# Altium PCB Project_OLIA.PcbDoc
Units mm, origin at the board's own origin, x right, y up, seen from the top; angles counter-clockwise.
Board outline 81.53 x 68.83 mm, 4 copper layers (Top Layer, Layer 1, Layer 2, Bottom Layer), stack 0.603 mm thick; 71 components, 35 nets, 322 pads, 15 vias.
Unrouted connection lines stored in the file: 2.
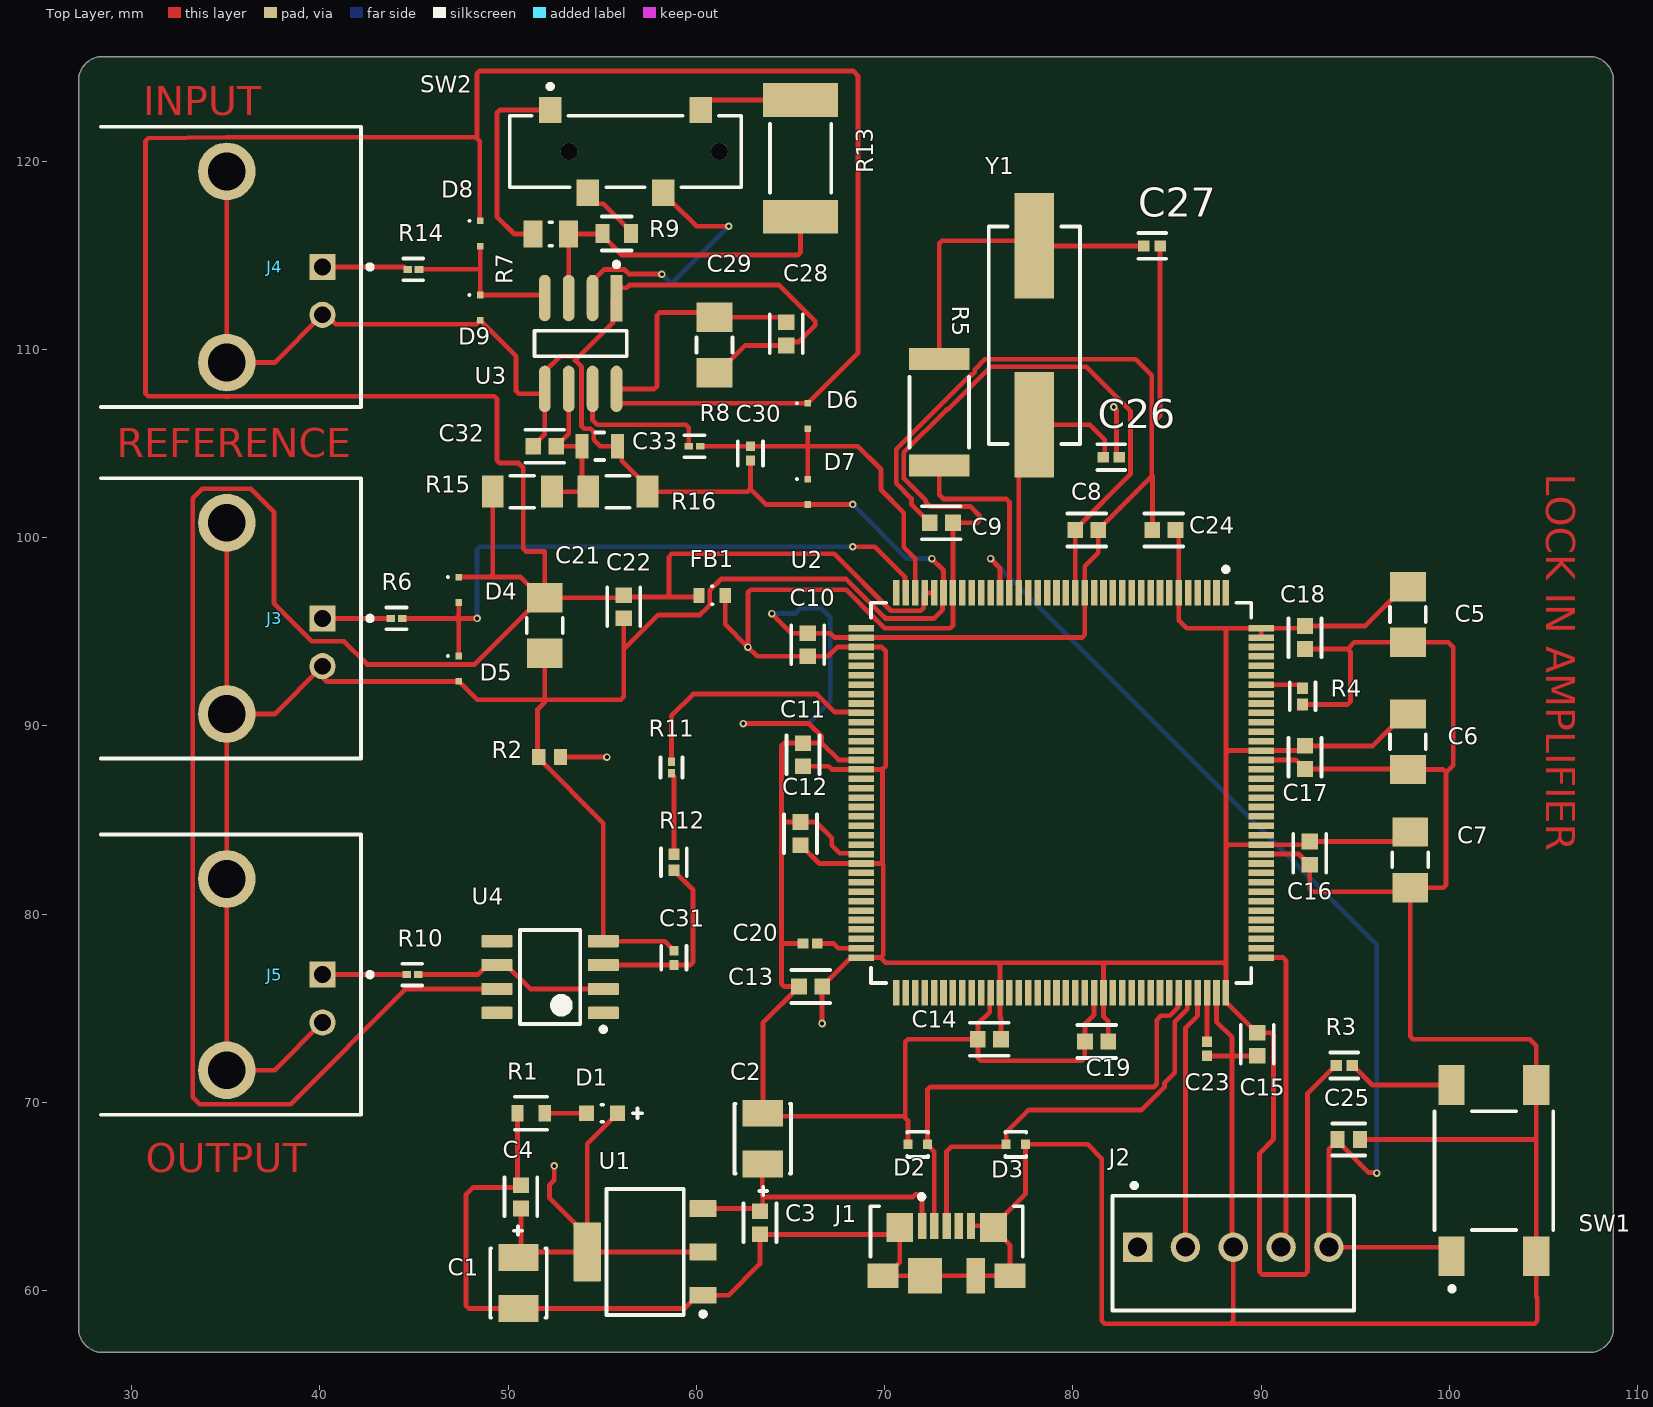
[diagram p0: Top Layer view]
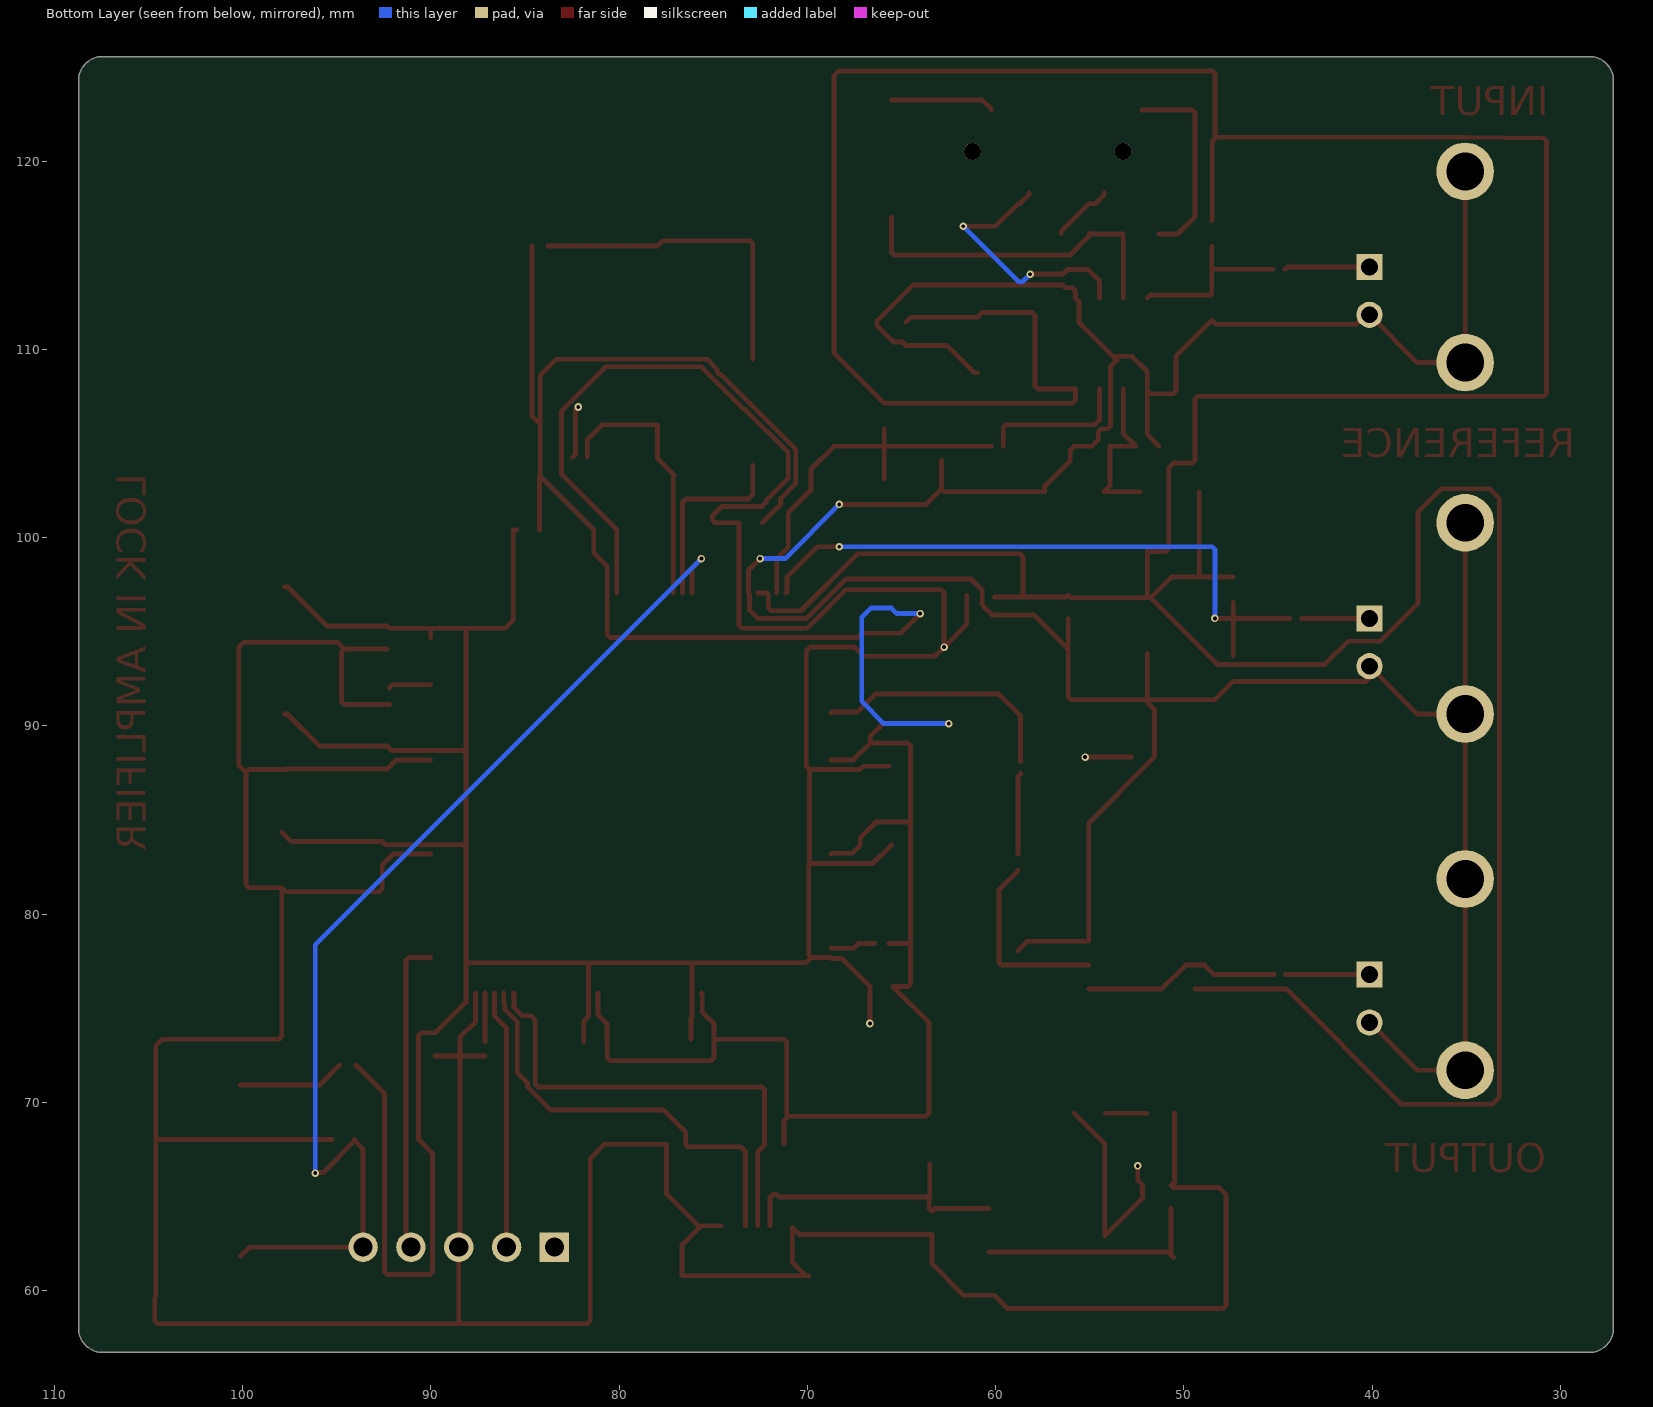
[diagram p1: Bottom Layer view, seen from below]
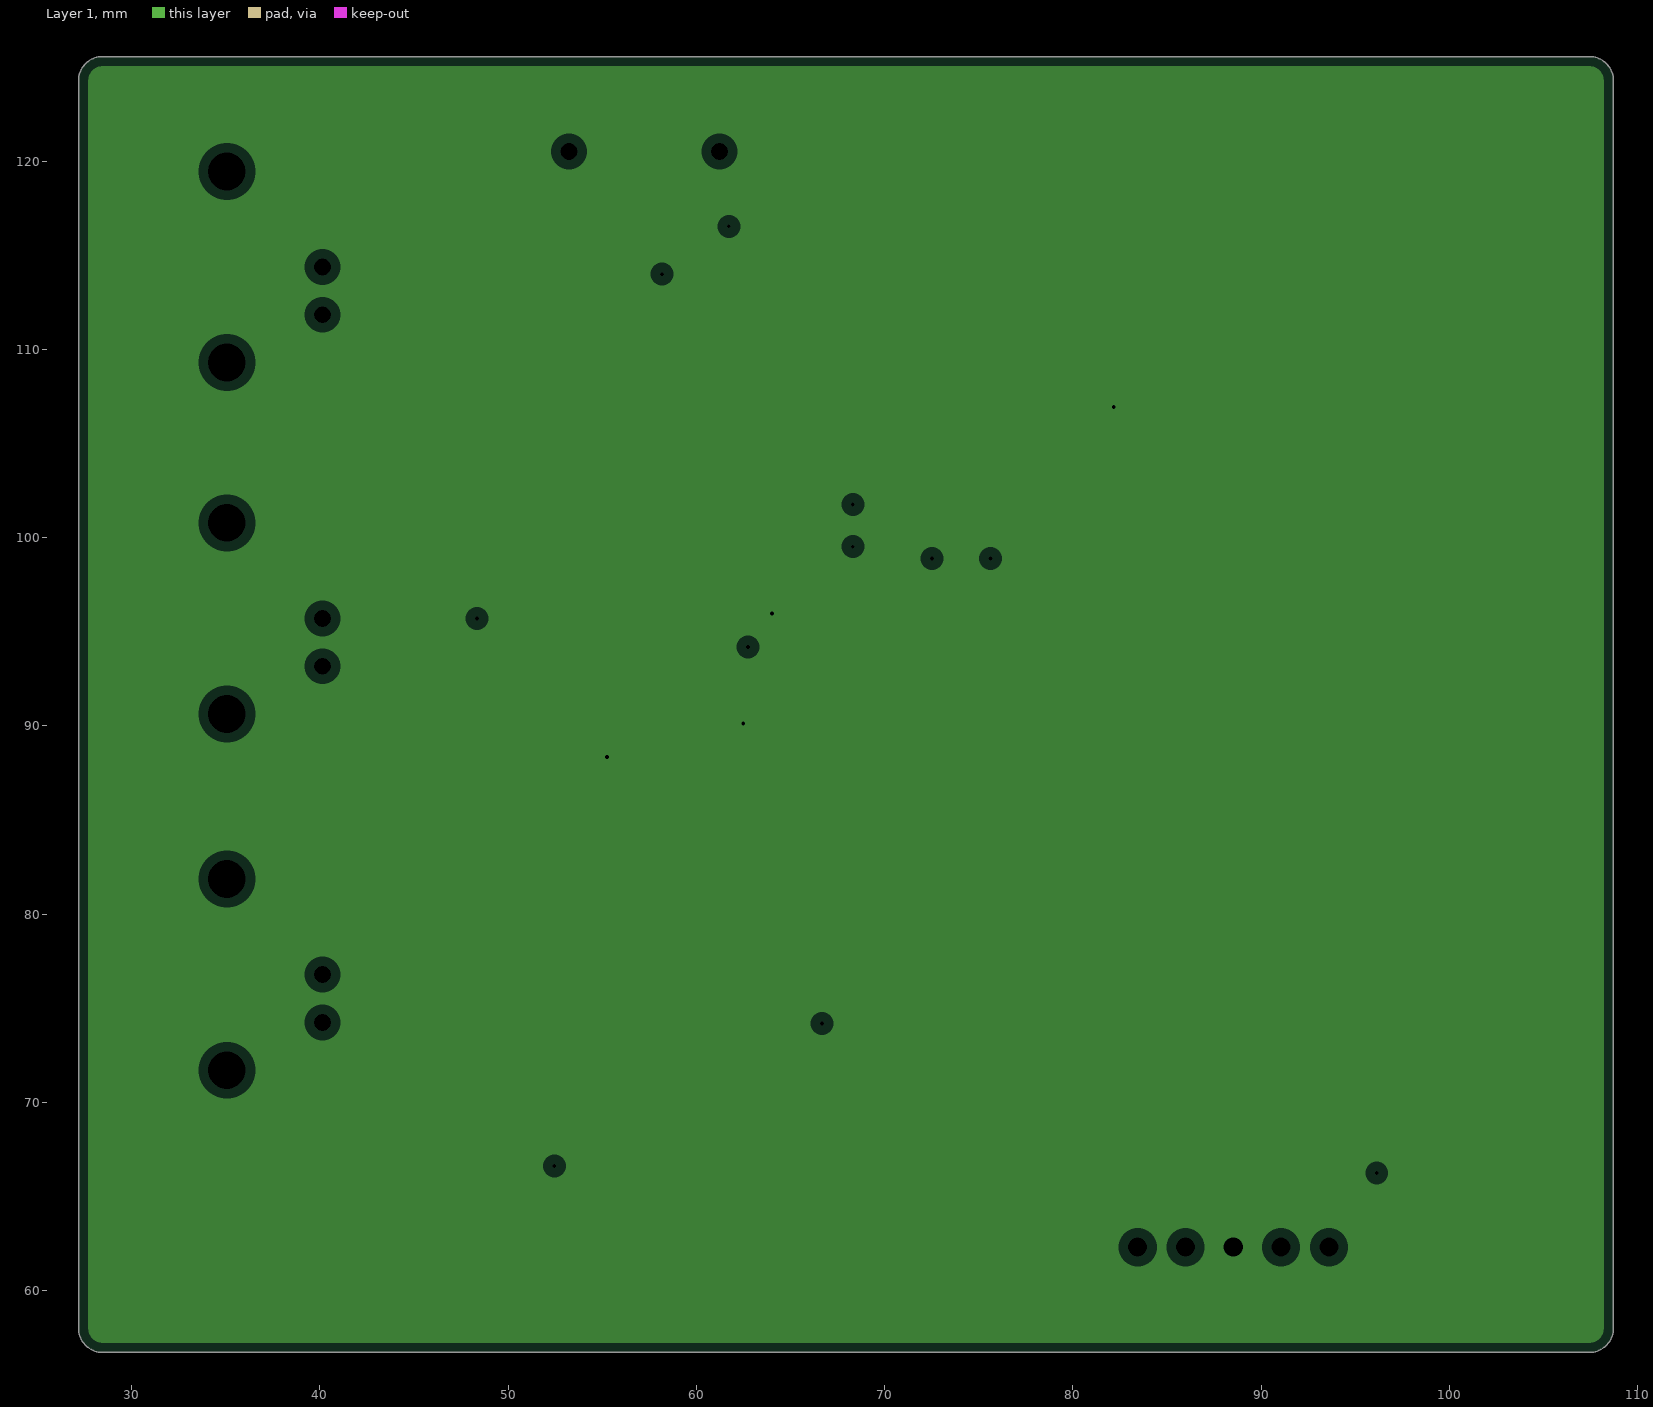
[diagram p2: Layer 1, clearances drawn from the general rule]
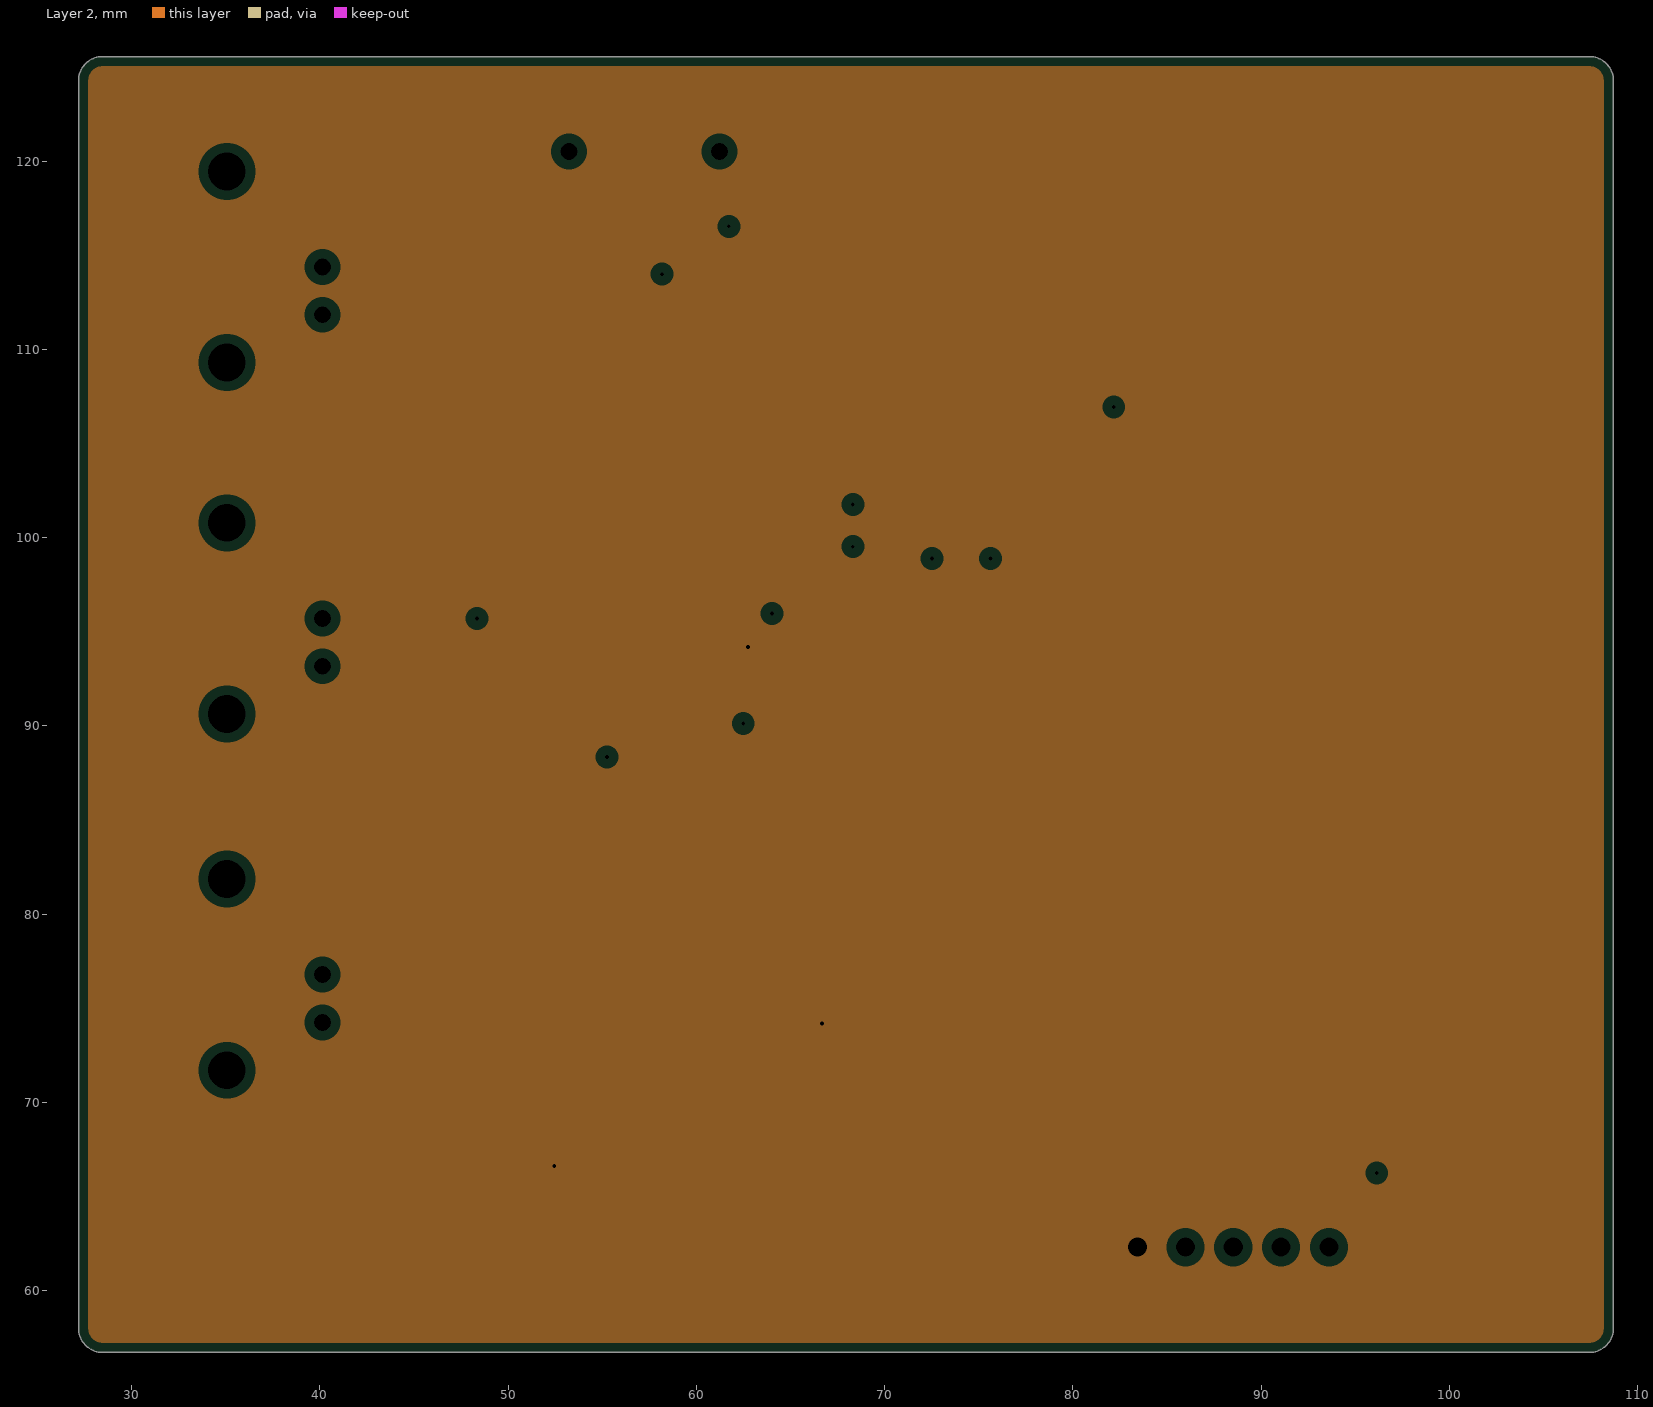
[diagram p3: Layer 2, clearances drawn from the general rule]
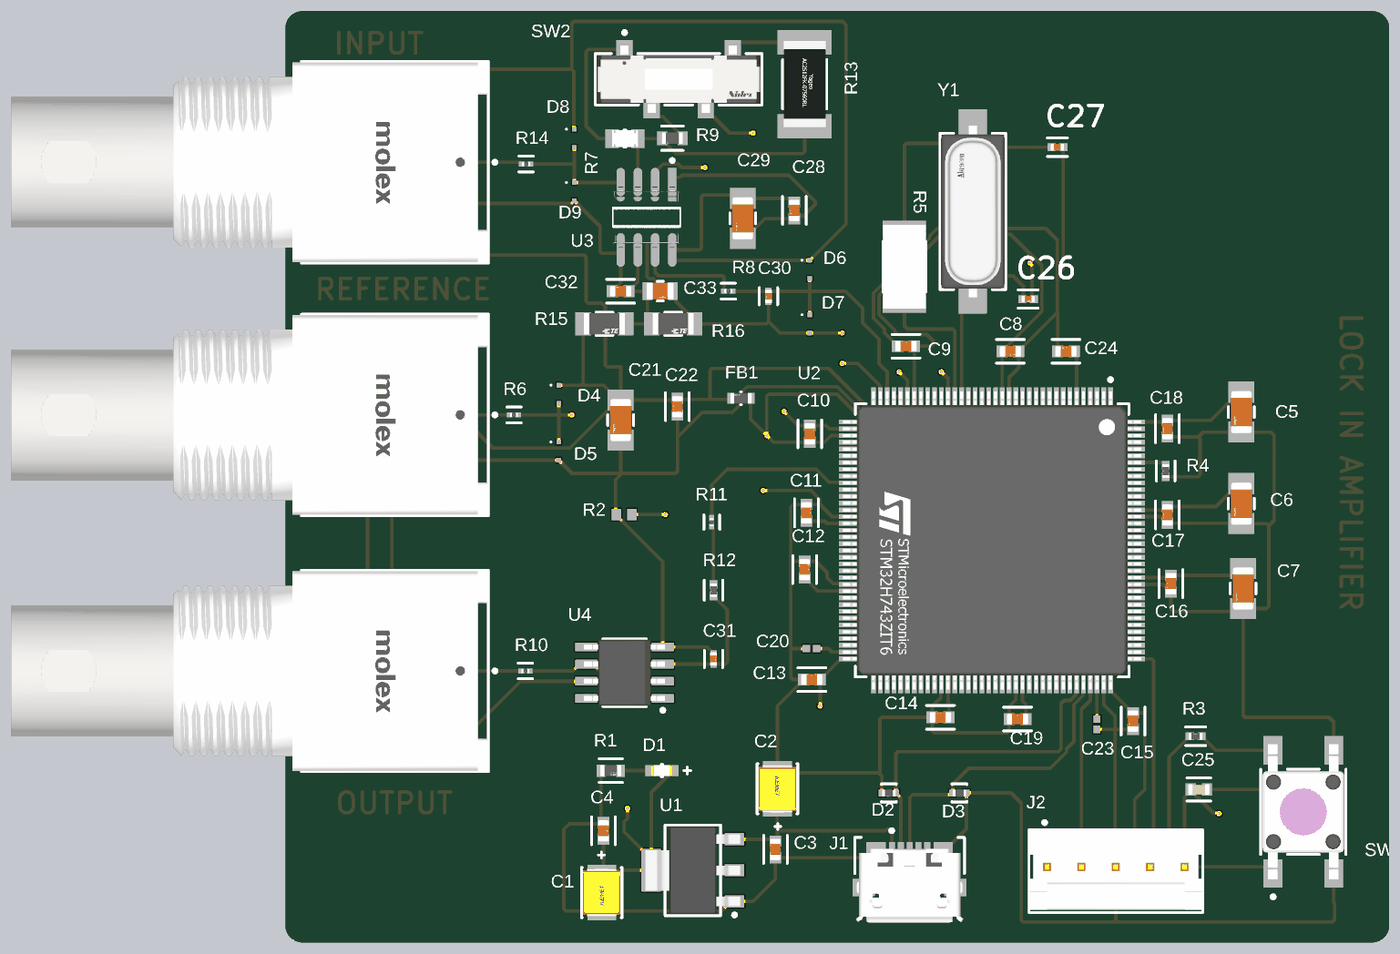
[diagram p4: 3D render of the assembled board from above, using the file's embedded part models]

## Layer stack, top to bottom
Top Solder: solder mask 0.0102, Solder Resist, Dk 3.5
Top Layer: signal copper 0.0356
Dielectric 2: prepreg 0.0711, PP-006, Dk 4.1
Layer 1: plane copper 0.035, net GND
Dielectric 1: dielectric 0.32, FR-4, Dk 4.8
Layer 2: plane copper 0.035, net +3V3
Dielectric 3: prepreg 0.0711, PP-006, Dk 4.1
Bottom Layer: signal copper 0.0356
Bottom Solder: solder mask 0.0102, Solder Resist, Dk 3.5

## Board outline
28.448,56.715 cw(c28.448,57.985) 27.178,57.985 27.178,124.279 cw(c28.448,124.279) 28.448,125.549 107.442,125.549 cw(c107.442,124.279) 108.712,124.279 108.712,57.985 cw(c107.442,57.985) 107.442,56.715

## Design rules (kind name [scope] priority, off if disabled: settings)
Clearance [All] p1: gap=0.15 ignorepadtopadclearanceinfootprint=FALSE
HoleSize [All] p1: absolutevalues=TRUE maxlimit=2.54 minlimit=0.1 maxpercent=80.000 minpercent=20.000
HoleToHoleClearance [All] p1: gap=0.15 allowstackedmicrovias=TRUE
MinimumAnnularRing [All] p1: minimumring=0.1
MinimumSolderMaskSliver [All] p1: minsoldermaskwidth=0.08
PlaneClearance [All] p1: clearance=0.508
PlaneConnect [All] p1: planeconnectstyle=Relief reliefexpansion=0.508 reliefentries=4 reliefconductorwidth=0.254 reliefairgap=0.254
PolygonConnect [All] p1: connectstyle=Relief reliefconductorwidth=0.254 reliefentries=4 polygonreliefangle="90 Angle" airgapwidth=0.254
RoutingVias [All] p1: holewidth=0.711 width=1.27 viastyle="Through Hole" minholewidth=0.711 minwidth=1.27 maxholewidth=0.711 maxwidth=1.27
SilkToSilkClearance [All] p1: silktosilkclearance=0.15
SilkToSolderMaskClearance [IsPad] p1: minsilkscreentomaskgap=0.15 clearancetoexposedcopper=TRUE
SolderMaskExpansion [All] p1: expansion=0.102 istentingtop=FALSE
SupplyNets "Schematic Supply Nets_1" [InNet('GND')] p1: voltage=0.000
SupplyNets "Schematic Supply Nets" [InNet('VCC')] p2: voltage=0.000
Width [All] p1: maxlimit=0.254 minlimit=0.254 preferedwidth=0.254
23 further rules are at their usual default settings.

## Components (designator, comment, footprint, x,y, rotation, side; value= is the part's Value field where it differs from the comment)
C1 "10 uF (tantalum)" FP-T491B106K016AT-MFG 50.546,60.398 r90 top
C2 "10 uF (tantalum)" FP-T491B106K016AT-MFG 63.522,68.072 r270 top
C3 "100 nF" FP-0603B104K500CT-IPC_C 63.373,63.594 r270 top
C4 "100 nF" FP-0603B104K500CT-IPC_C 50.673,64.97 r90 top
C5 "4.7 µF" FP-GCM31C-0_2-e0_3_0_8-IPC_A 97.79,95.91 r270 top
C6 "4.7 µF" FP-GCM31C-0_2-e0_3_0_8-IPC_A 97.79,89.148 r270 top
C7 "4.7 µF" FP-GCM31C-0_2-e0_3_0_8-IPC_A 97.917,82.877 r270 top
C8 "100 nF" FP-0603B104K500CT-IPC_C 80.729,100.403 r0 top
C9 "100 nF" FP-0603B104K500CT-IPC_C 73.011,100.784 r180 top
C10 "100 nF" FP-0603B104K500CT-IPC_C 65.913,94.307 r90 top
C11 "100 nF" FP-0603B104K500CT-IPC_C 65.659,88.465 r90 top
C12 "100 nF" FP-0603B104K500CT-IPC_C 65.532,84.274 r90 top
C13 "100 nF" FP-0603B104K500CT-IPC_C 66.061,76.146 r180 top
C14 "100 nF" FP-0603B104K500CT-IPC_C 75.565,73.352 r180 top
C15 "100 nF" FP-0603B104K500CT-IPC_C 89.789,73.077 r270 top
C16 "100 nF" FP-0603B104K500CT-IPC_C 92.583,83.237 r270 top
C17 "100 nF" FP-0603B104K500CT-IPC_C 92.329,88.317 r270 top
C18 "100 nF" FP-0603B104K500CT-IPC_C 92.329,94.688 r270 top
C19 "100 nF" FP-0603B104K500CT-IPC_C 81.259,73.225 r180 top
C20 "2.2 µF" CAPC0603X33X15ML03T05 66.04,78.432 r180 top
C21 "4.7 µF" FP-GCM31C-0_2-e0_3_0_8-IPC_A 51.943,95.323 r270 top
C22 "100 nF" FP-0603B104K500CT-IPC_C 56.134,96.318 r270 top
C23 "2.2 µF" CAPC0603X33X15ML03T05 87.125,72.844 r90 top
C24 "100 nF" FP-0603B104K500CT-IPC_C 84.836,100.403 r180 top
C25 "0.1 µF" FP-C0603C-CF-MFG 94.65,68.018 r180 top value="0.10 μF"
C26 "18pF" FP-GCM155-0_05-IPC_B 82.042,104.267 r0 top
C27 "18pF" FP-GCM155-0_05-IPC_B 84.201,115.491 r0 top
C28 "100 nF" FP-0603B104K500CT-IPC_C 64.77,110.817 r270 top
C29 "4.7 µF" FP-GCM31C-0_2-e0_3_0_8-IPC_A 60.96,110.23 r270 top
C30 "10 nF" FP-GCM155-0_05-IPC_C 62.865,104.469 r270 top
C31 "10 nF" FP-GCM155-0_05-IPC_C 58.801,77.67 r90 top
C32 "100 nF" FP-0603B104K500CT-IPC_C 51.943,104.848 r180 top
C33 "1 µF" FP-GRM21B-0_2-e0_2_0_7-MFG 54.864,104.848 r0 top
D1 "AP1608SGC" FP-AP1608SGC-MFG 54.991,69.415 r180 top
D2 "EZA-EG2N50AX" FP-EZAEG2N-MFG 71.755,67.764 r180 top
D3 "EZA-EG2N50AX" FP-EZAEG2N-MFG 76.966,67.764 r0 top
D4 "BAT54-02V" INF-SC79_V 47.371,97.228 r270 top
D5 "BAT54-02V" INF-SC79_V 47.371,93.037 r270 top
D6 "BAT54-02V" INF-SC79_V 65.913,106.462 r270 top
D7 "BAT54-02V" INF-SC79_V 65.913,102.435 r270 top
D8 "BAT54-02V" INF-SC79_V 48.514,116.151 r270 top
D9 "BAT54-02V" INF-SC79_V 48.514,112.214 r270 top
FB1 "600 Ω" FP-MMZ1608-0_6-MFG 60.833,96.931 r180 top
J1 "473460001" FP-473460001-MFG 73.286,61.129 r0 top
J2 "3-641215-5" FP-3-641215-5-MFG 88.519,61.985 r180 top
J3 "BNC Female" FP-73137-5003-MFG 24.522,95.704 r270 top
J4 "BNC Female" FP-73137-5003-MFG 24.522,114.373 r270 top
J5 "BNC Female" FP-73137-5003-MFG 24.522,76.781 r270 top
R1 "1 kΩ" FP-RMCF0603-MFG 51.218,69.415 r0 top
R2 "0 Ω" RESC1609X50X30LL10T20 52.197,88.338 r0 top
R3 "10 KΩ" FP-RC1005-IPC_B 94.409,71.955 r180 top
R4 "10 KΩ" FP-RC1005-IPC_B 92.202,91.561 r270 top
R5 "33Ω" FP-CRCW2512-e3-IPC_C 72.898,106.658 r270 top
R6 "100 Ω" FP-ERA1A-IPC_B 44.069,95.704 r0 top
R7 "5.49 KΩ" FP-CRCW0805-e3-IPC_B 52.262,116.124 r0 top
R8 "100 Ω" FP-ERA1A-IPC_B 59.894,104.848 r0 top
R9 "499 Ω" FP-CRCW0603-e3-MFG 55.765,116.151 r180 top
R10 "100 Ω" FP-ERA1A-IPC_B 44.908,76.781 r180 top
R11 "100 Ω" FP-ERA1A-IPC_B 58.674,87.78 r270 top
R12 "10 KΩ" FP-RC1005-IPC_B 58.801,82.75 r270 top
R13 "49.9 Ω" FP-AC2512-MFG 65.532,120.14 r270 top value=49.9Ω
R14 "100 Ω" FP-ERA1A-IPC_B 44.958,114.246 r0 top
R15 "1 KΩ" FP-RP732B-MFG 50.749,102.435 r0 top value=1.0KΩ
R16 "1 KΩ" FP-RP732B-MFG 55.829,102.435 r0 top value=1.0KΩ
SW1 "1-1977223-9" FP-1-1977223-9-MFG 102.362,66.367 r180 top
SW2 "CL-SB-13B-02T" FP-CL-SB-13B-02T-MFG 56.229,120.51 r0 top
U1 "LM1117MP-3.3/NOPB" DCY0004A_L 57.277,62.049 r180 top
U2 "STM32H743ZIT6" FP-LQFP144-1A-MFG 79.375,86.433 r270 top
U3 "INA826AIDR" FP-D0008A-IPC_A 53.848,110.31 r270 top
U4 "OPA350UA" D0008A_M 52.228,76.654 r180 top
Y1 "ABLS-8.000MHZ-B2-T" FP-ABLS-MFG 77.957,110.741 r90 top
